# Altium PCB HW_RV_TOUCH_R1M1.PcbDoc (part 2 of 5)
Units mil, origin at the board's own origin, x right, y up, seen from the top; angles counter-clockwise.
Board outline 7086.61 x 4330.71 mil, 6 copper layers (Top Layer, Int1 (GND), Int2 (Sig), Int3 (PWR), Int4 (GND), Bottom Layer), stack 77.316 mil thick; 341 components, 211 nets, 1147 pads, 844 vias.
Unrouted connection lines stored in the file: 123.
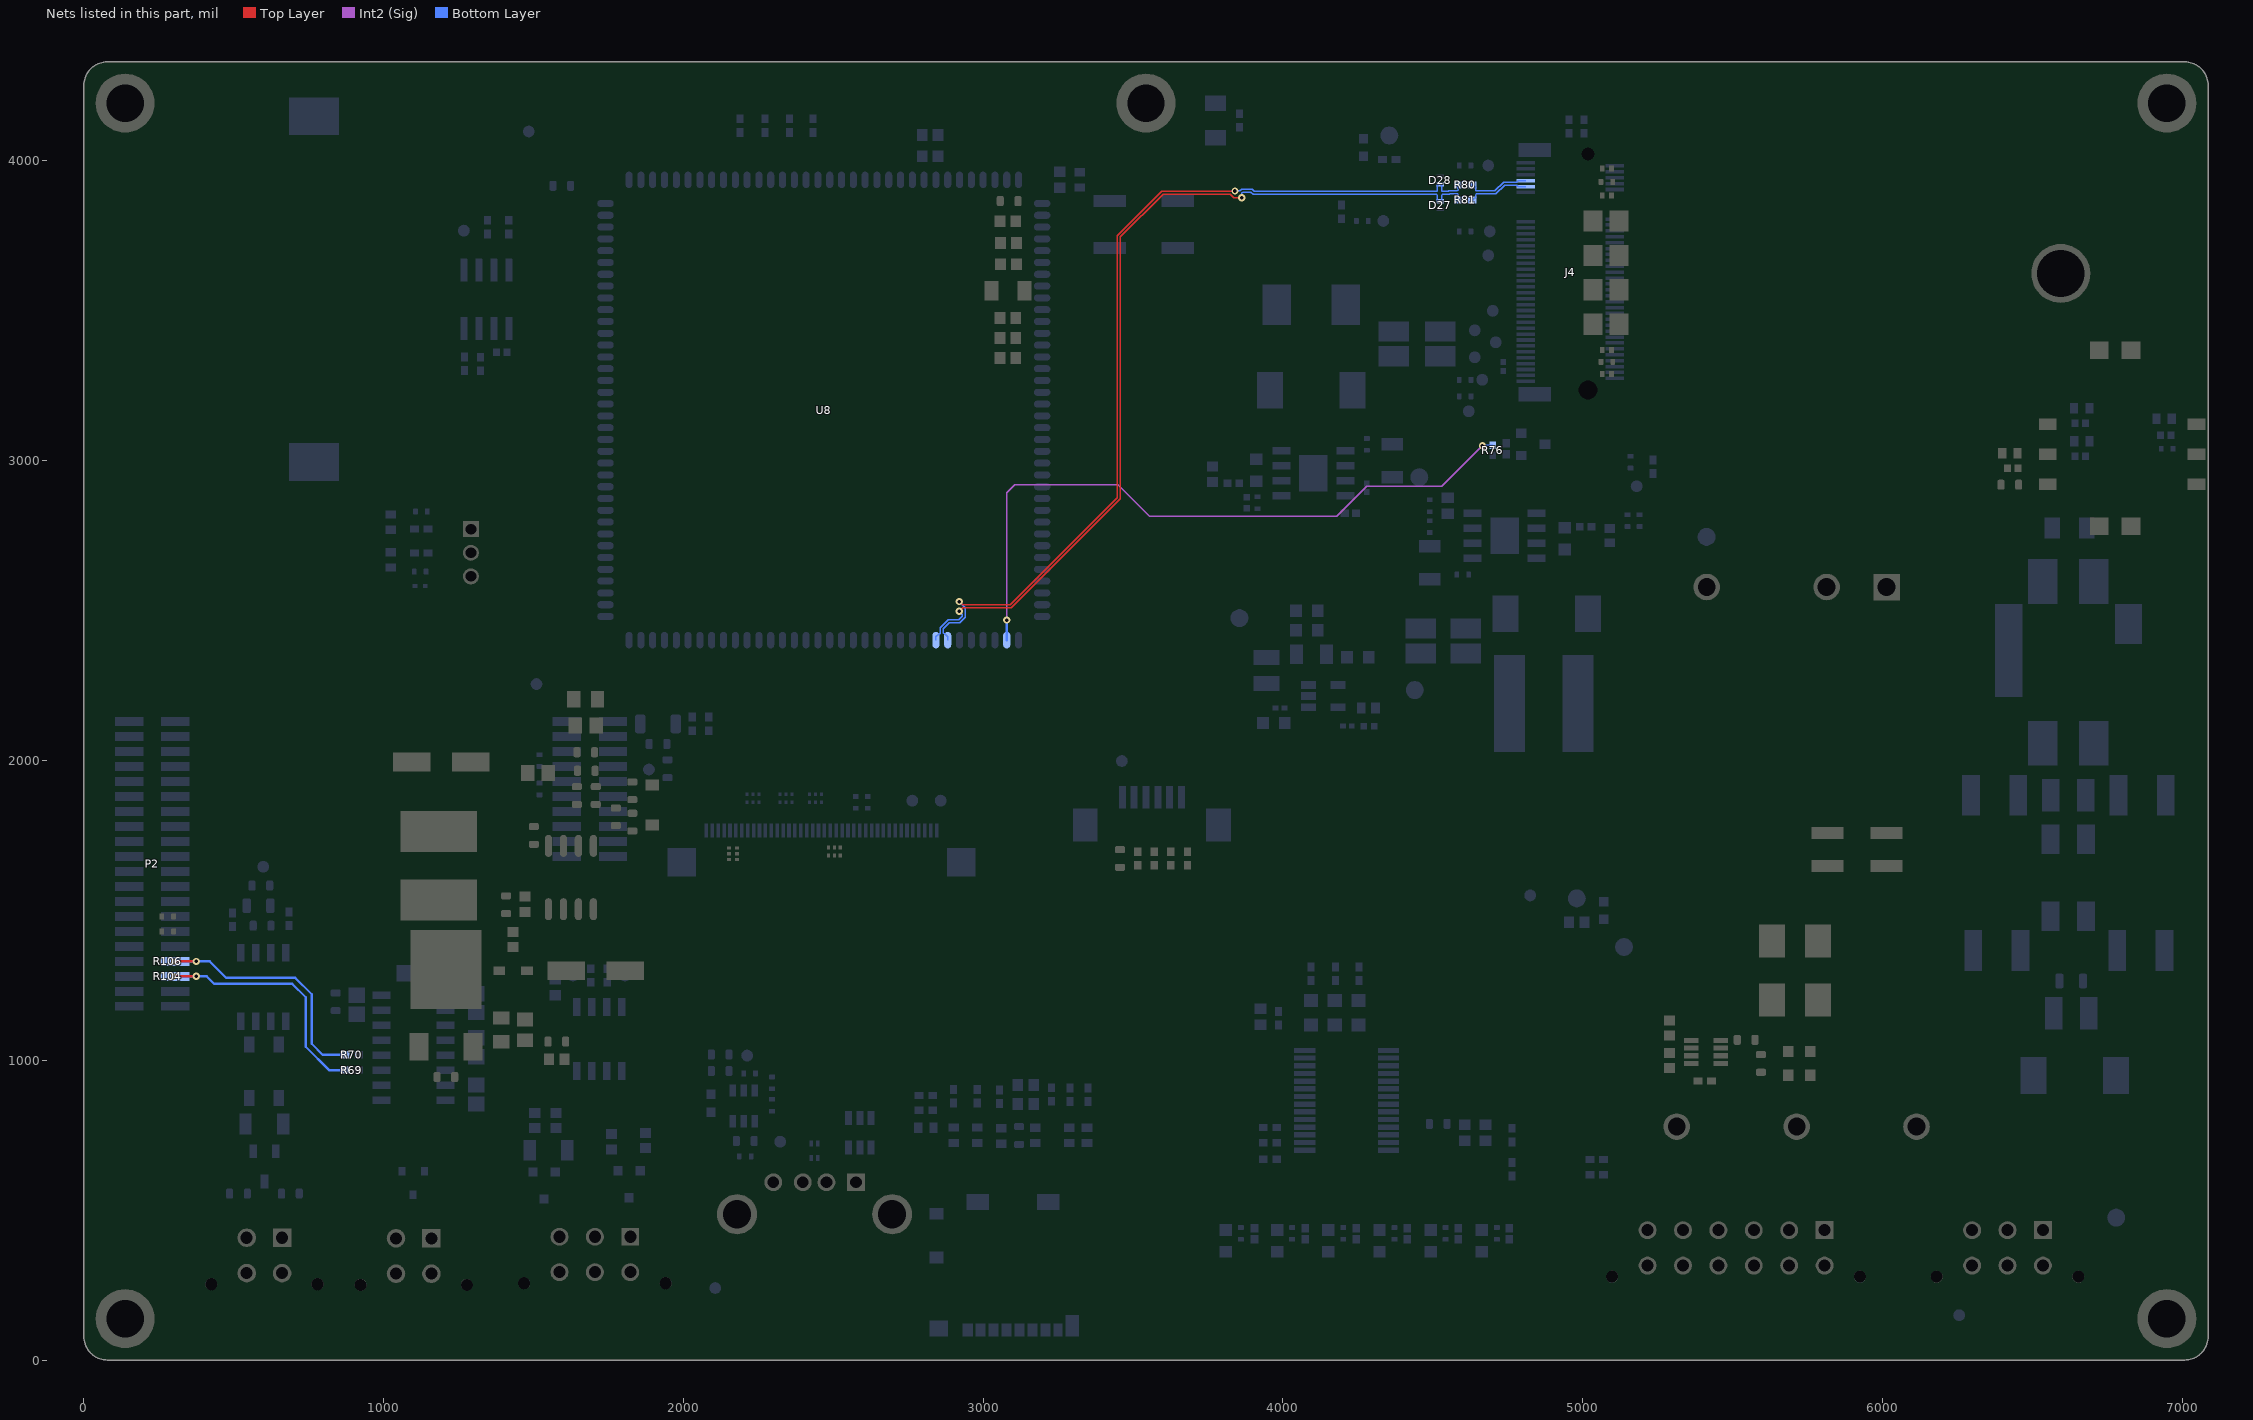
[diagram p6: the nets of this part, all layers, seen from the top]

## Footprints (in the part's own frame and the unit in brackets; to place one, negate y for a bottom-side part, rotate by r counter-clockwise, add the part's x,y. Pads: shape width x height; smd on the part's side, far side on the other; paste and mask are expansions set on the pad) (continued)
SOP65P780X200-28N [mm]
  rect 1.8x0.45 smd: 1(-3.55,4.225) 2(-3.55,3.575) 3(-3.55,2.925) 4(-3.55,2.275) 5(-3.55,1.625) 6(-3.55,0.975) 7(-3.55,0.325) 8(-3.55,-0.325) 9(-3.55,-0.975) 10(-3.55,-1.625) 11(-3.55,-2.275) 12(-3.55,-2.925) 13(-3.55,-3.575) 14(-3.55,-4.225) 15(3.55,-4.225) 16(3.55,-3.575) 17(3.55,-2.925) 18(3.55,-2.275) 19(3.55,-1.625) 20(3.55,-0.975) 21(3.55,-0.325) 22(3.55,0.325) 23(3.55,0.975) 24(3.55,1.625) 25(3.55,2.275) 26(3.55,2.925) 27(3.55,3.575) 28(3.55,4.225)
  silkscreen extent -4.45,-5.1 2.3,5.1, body extent -3.9,-5.1 3.9,5.1, height 2
SOP-8_L4.9-W3.9-P1.27-LS6.0-BL [mm]
  oval 0.63x1.865 smd: 1(-1.905,-2.682) 2(-0.635,-2.682) 3(0.635,-2.682) 4(1.905,-2.682) 5(1.905,2.682) 6(0.635,2.682) 7(-0.635,2.682) 8(-1.905,2.682)
  silkscreen extent -2.82,-2.83 2.58,1.52, body extent -2.45,-3 2.45,3, height 1.91
SOT23_3-DIODE [mm]
  rect 1.15x0.65 smd: 1(-1.275,0.95) 2(-1.275,-0.95) 3(1.275,0)
  silkscreen extent -0.3,-1.5 0.7,1.5, body extent -1.25,-1.5 1.25,1.5, height 1.1
SOT65P280X110-8N [mm]
  rect 1.2x0.45 smd: 1(-1.25,0.975) 2(-1.25,0.325) 3(-1.25,-0.325) 4(-1.25,-0.975) 5(1.25,-0.975) 6(1.25,-0.325) 7(1.25,0.325) 8(1.25,0.975)
  silkscreen extent -1.85,-1.45 0.3,1.55, body extent -1.4,-1.45 1.4,1.45, height 1.1
SOT94P280X100-5N [mm]
  rect 1.25x0.65 smd: 1(-1.25,0.94) 2(-1.25,0) 3(-1.25,-0.94) 4(1.25,-0.94) 5(1.25,0.94)
  silkscreen extent -1.88,-1.45 0.28,1.51, body extent -1.4,-1.45 1.4,1.45, height 1
SOT95P280X100-6N [mm]
  rect 1.05x0.55 smd: 1(-1.3,0.95) 2(-1.3,0) 3(-1.3,-0.95) 4(1.3,-0.95) 5(1.3,0) 6(1.3,0.95)
  silkscreen extent -1.83,-1.45 0.43,1.58, body extent -1.4,-1.45 1.4,1.45, height 1
SOT95P280X145-6N [mm]
  rect 1.2x0.6 smd: 1(-1.25,0.95) 2(-1.25,0) 3(-1.25,-0.95) 4(1.25,-0.95) 5(1.25,0) 6(1.25,0.95)
  silkscreen extent -1.85,-1.45 0.3,1.6, body extent -1.47,-1.46 1.37,1.46, height 1.13
SRN8040-3R3Y [mm]
  rect 2.6x8.2 smd: 1(-2.9,0) 2(2.9,0)
  silkscreen extent -1.2,-4 1.2,4, body extent -3.95,-4.08 3.95,4.08, height 3.95
TDK_0_MFG [mm]
  rect 2.5x1.5 smd paste+0 mask+0: 1(-3.25,1.5) 2(-3.25,-1.5) 3(3.25,-1.5) 4(3.25,1.5)
  silkscreen extent -5.35,-3.1 3.6,3.1, body extent -3.5,-3 3.5,3, height 3.5
TDK_ACT45B-510-2P-TL003_0 [mm]
  rect 1.35x0.9 smd paste+0 mask+0: 1(-2.275,1.25) 2(-2.275,-1.25) 3(2.275,-1.25) 4(2.275,1.25)
  silkscreen extent -3.8,-1.6 2.25,1.6, body extent -2.22,-1.55 2.28,1.65, height 2.83
TEST_POINT#1 [mm]
  round 1 smd: 1(0,0)
  silkscreen extent -0.6,-0.6 0.6,0.6
TEST_POINT#2 [mm]
  round 1 smd far side: 1(0,0)
  silkscreen extent -0.6,-0.6 0.6,0.6
TEST_POINT_SMD#1 [mil]
  round 60 smd: 1(0,0)
TEST_POINT_SMD#2 [mil]
  round 60 smd: 1(0,0.83)
TO-252_L6.5-W6.1-P4.58-LS9.9-BR [mm]
  rect 2.3x1.6 smd: 1(3.267,-2.29) 3(3.267,2.29)
  rect 6.7x6 smd: 2(-3.268,0)
  silkscreen extent -4.79,-3.98 2.49,3.5, body extent -6.12,-3.29 3.8,3.29, height 2.29
WURTH_693010020611 [mm]
  rect 1x1.5 smd: 1(3.9,-6.3) 2(1.36,-6.3) 3(-1.18,-6.3) 4(3.9,6.3) 5(1.36,6.3) 6(-1.18,6.3)
  rect 1.5x1.6 smd: S1(-7.45,0.75) S2(-7.45,-1.95) S3(7.45,0.75) S4(7.45,-1.95)
  silkscreen extent -8.2,-9.5 8.2,6.8, body extent -8.2,-9.55 8.2,6.75, height 1.86
YOUPK37X39_1_00-SMD-148 [mm]
  oval 1.4x0.6 smd: 1(-18.45,17.55) 2(-18.45,16.55) 3(-18.45,15.55) 4(-18.45,14.55) 5(-18.45,13.55) 6(-18.45,12.55) 7(-18.45,11.55) 8(-18.45,10.55) 9(-18.45,9.55) 10(-18.45,8.55) 11(-18.45,7.55) 12(-18.45,6.55) 13(-18.45,5.55) 14(-18.45,4.55) 15(-18.45,3.55) 16(-18.45,2.55) 17(-18.45,1.55) 18(-18.45,0.55) 19(-18.45,-0.45) 20(-18.45,-1.45) 21(-18.45,-2.45) 22(-18.45,-3.45) 23(-18.45,-4.45) 24(-18.45,-5.45) 25(-18.45,-6.45) 26(-18.45,-7.45) 27(-18.45,-8.45) 28(-18.45,-9.45) 29(-18.45,-10.45) 30(-18.45,-11.45) 31(-18.45,-12.45) 32(-18.45,-13.45) 33(-18.45,-14.45) 34(-18.45,-15.45) 35(-18.45,-16.45) 36(-18.45,-17.45) 71(18.55,-17.45) 72(18.55,-16.45) 73(18.55,-15.45) 74(18.55,-14.45) 75(18.55,-13.45) 76(18.55,-12.45) 77(18.55,-11.45) 78(18.55,-10.45) 79(18.55,-9.45) 80(18.55,-8.45) 81(18.55,-7.45) 82(18.55,-6.45) 83(18.55,-5.45) 84(18.55,-4.45) 85(18.55,-3.45) 86(18.55,-2.45) 87(18.55,-1.45) 88(18.55,-0.45) 89(18.55,0.55) 90(18.55,1.55) 91(18.55,2.55) 92(18.55,3.55) 93(18.55,4.55) 94(18.55,5.55) 95(18.55,6.55) 96(18.55,7.55) 97(18.55,8.55) 98(18.55,9.55) 99(18.55,10.55) 100(18.55,11.55) 101(18.55,12.55) 102(18.55,13.55) 103(18.55,14.55) 104(18.55,15.55) 105(18.55,16.55) 106(18.55,17.55)
  oval 0.6x1.4 smd: 37(-16.45,-19.45) 38(-15.45,-19.45) 39(-14.45,-19.45) 40(-13.45,-19.45) 41(-12.45,-19.45) 42(-11.45,-19.45) 43(-10.45,-19.45) 44(-9.45,-19.45) 45(-8.45,-19.45) 46(-7.45,-19.45) 47(-6.45,-19.45) 48(-5.45,-19.45) 49(-4.45,-19.45) 50(-3.45,-19.45) 51(-2.45,-19.45) 52(-1.45,-19.45) 53(-0.45,-19.45) 54(0.55,-19.45) 55(1.55,-19.45) 56(2.55,-19.45) 57(3.55,-19.45) 58(4.55,-19.45) 59(5.55,-19.45) 60(6.55,-19.45) 61(7.55,-19.45) 62(8.55,-19.45) 63(9.55,-19.45) 64(10.55,-19.45) 65(11.55,-19.45) 66(12.55,-19.45) 67(13.55,-19.45) 68(14.55,-19.45) 69(15.55,-19.45) 70(16.55,-19.45) 107(16.55,19.55) 108(15.55,19.55) 109(14.55,19.55) 110(13.55,19.55) 111(12.55,19.55) 112(11.55,19.55) 113(10.55,19.55) 114(9.55,19.55) 115(8.55,19.55) 116(7.55,19.55) 117(6.55,19.55) 118(5.55,19.55) 119(4.55,19.55) 120(3.55,19.55) 121(2.55,19.55) 122(1.55,19.55) 123(0.55,19.55) 124(-0.45,19.55) 125(-1.45,19.55) 126(-2.45,19.55) 127(-3.45,19.55) 128(-4.45,19.55) 129(-5.45,19.55) 130(-6.45,19.55) 131(-7.45,19.55) 132(-8.45,19.55) 133(-9.45,19.55) 134(-10.45,19.55) 135(-11.45,19.55) 136(-12.45,19.55) 137(-13.45,19.55) 138(-14.45,19.55) 139(-15.45,19.55) 140(-16.45,19.55)
  silkscreen extent -20.15,-19.4 18.5,19.6, body extent -18.4,-19.5 18.6,19.5, height 3.33

## Part data
BAT1: "Battery Holder Coin 20MM SMD", Case/Package=SMD/SMT, Manufacturer="Memory Protection Devices", Max Operating Temperature=315°C, Min Operating Temperature=-40°C, Supplier Part Number 1=BU2032SM-GTR-ND, Category=Uncategorized, ComponentLink1Description=https://datasheet.ciiva.com/7613/bu2032sm-g-datasheet-7613472.pdf?src-supplier=Digikey, ComponentLink1URL=https://datasheet.ciiva.com/7613/bu2032sm-g-datasheet-7613472.pdf?src-supplier=Digikey, Contact Material=153,157ConductorMaterial, Height=5.3mm, Manufacturer Part Number=BU2032SM-G, Mount="Surface Mount,PCB", Number of Cells=1, Number of Contacts=2NUMBER, Packaging="Cut Tape", Pricing 1="400=0.81163, 800=0.76195, 1200=0.71225, 2800=0.646, 10000=0.5963 (USD)", RoHS=Yes, series=-, Stock 1=17897, Supplier 1=Digikey, Termination=SMD/SMT
C1: library part C1210C682MGRAC7800, "CAP CER SMD 1210 6800PF 20% 2KV", Manufacturer_Name=KEMET, Datasheet Link=https://www.kemet.com/specsheet/C1210C682MGRACTU, Height=2.8mm, Manufacturer_Part_Number=C1210C682MGRAC7800
C2 C3 C9 C10: library part CAP1812_4700PF_2KV, "2kV 4.7nF X7R ±10% 1812 Multilayer Ceramic Capacitors MLCC - SMD/SMT ROHS", LCSC Manufacturer Part Number=202S43W472KV4E, LCSC Part Number=C167436, Manufacturer Part Number=202S43W472KV4E
C4: library part CAP0805_100nF_100V, "0.1 µF ±10% 100V Ceramic Capacitor X7R 0805 (2012 Metric)", LCSC Manufacturer Part Number=CL21B104KCFNNNE, LCSC Part Number=C28233, Manufacturer Part Number=CL21B104KCFNNNE, Order Code="DIGI : 1276-6840-1-ND"
C5 C7: library part CAP1210_4.7UF_100V, "4.7 µF ±10% 100V Ceramic Capacitor X7S 1210 (3225 Metric)", LCSC Manufacturer Part Number=CL32Y475KCIVPNE, LCSC Part Number=C2803397, Manufacturer Part Number=CL32Y475KCIVPNE, Order Code="Digi: 1276-CL32Y475KCIVPNETR-ND"
C6: library part 12065D106KAT2A, "CAP CER 10UF 50V X5R 1206", Device Package="1206 (3216 Metric)", Manufacturer="AVX Corporation", Operating Temperature="-55°C ~ 85°C", Supplier Part Number 1=478-9979-1-ND, Temperature Coefficient=X5R, Tolerance=±10%, Voltage - Rated=50V, Applications="General Purpose", Capacitance=10µF, ComponentLink1Description=Datasheet, ComponentLink1URL=http://datasheets.avx.com/cx5r.pdf, ComponentLink2Description="DigiKey Link", ComponentLink2URL=http://digikey.com/product-detail/en/avx-corporation/12065D106KAT2A/478-9979-1-ND/6149060, LastUpdated="9/2/2020 1:05:35 AM", Lifecycle Status=Active, Minimum Order=1, Mounting Type="Surface Mount, MLCC", Package / Case="1206 (3216 Metric)", Packaging=TapeAndReel, Part Number=12065D106KAT2A, Part Status=Active, PartId=21345, Price=0.16, series=-, Size / Dimension="0.126\" L x 0.063\" W (3.20mm x 1.60mm)", Supplier 1=DigiKey, Thickness (Max)="0.071\" (1.80mm)"
C8: library part C1210C682MGRAC7800, "Capacitor", Manufacturer_Name=KEMET, Datasheet Link=https://www.kemet.com/specsheet/C1210C682MGRACTU, Height=2.8mm, Manufacturer_Part_Number=C1210C682MGRAC7800
C11 C14 C33 C35 C78: library part CAP0603_0.1UF_50V, "0.1 µF ±10% 50V Ceramic Capacitor X7R 0603 (1608 Metric)", LCSC Manufacturer Part Number=CL10B104KB8NNNC, LCSC Part Number=C1591, Manufacturer Part Number=CL10B104KB8NNNL, Order Code=DIGI:1276-CL10B104KB8NNNLTR-ND, Sirius Stock Code=A063-AGC10300001226
C12 C13: library part C0402C104K4RECAUTO, "CAP CER 0402 0.1UF 16V X7R 10%", Device Package="0402 (1005 Metric)", Manufacturer=KEMET, Operating Temperature="-55°C ~ 125°C", Ratings=AEC-Q200, Supplier Part Number 1=399-17167-1-ND, Temperature Coefficient=X7R, Tolerance=±10%, Voltage - Rated=16V, Applications="Automotive, ESD Protection", Capacitance="0.1 µF", ComponentLink1Description=Datasheet, ComponentLink1URL=https://api.kemet.com/component-edge/download/datasheet/C0402C104K4RECAUTO.pdf, ComponentLink2Description="DigiKey Link", ComponentLink2URL=https://www.digikey.com/en/products/detail/kemet/C0402C104K4RECAUTO/8563695, LastUpdated="2/9/2024 8:04:38 PM", Lifecycle Status=Active, Minimum Order=1, Mounting Type="Surface Mount, MLCC", Package / Case="0402 (1005 Metric)", Packaging=TapeAndReel, Part Number=C0402C104K4RECAUTO, Part Status=Active, PartId=1731, Price=0.01, series="ESD SMD Auto X7R", Size / Dimension="0.039\" L x 0.020\" W (1.00mm x 0.50mm)", Supplier 1=DigiKey, Thickness (Max)="0.022\" (0.55mm)"
C15 C18: "Capacitor", Manufacturer_Name="Murata Electronics", Mouser Part Number=81-GRM31CR71H475KA2L, Arrow Part Number=GRM31CR71H475KA12L, Arrow Price/Stock=https://www.arrow.com/en/products/grm31cr71h475ka12l/murata-manufacturing?utm_currency=USD&region=nac, Datasheet Link=https://search.murata.co.jp/Ceramy/image/img/A01X/G101/ENG/GRM31CR71H475KA12-01A.pdf, Height=1.8mm, Manufacturer_Part_Number=GRM31CR71H475KA12L, Mouser Price/Stock=https://www.mouser.co.uk/ProductDetail/Murata-Electronics/GRM31CR71H475KA12L?qs=QOxk%252BkhTc6I%252BVQUsJuOHog%3D%3D
C16 C17 C19 C21: library part CMP-2000-06362-2, "CAP CER 47UF 16V X5R 1210", Capacitance=47uF, Case Code (Imperial)=1210, Case Code (Metric)=3225, Dielectric=X5R, Max Operating Temperature=85°C, Min Operating Temperature=-55°C, Package Quantity=1, Part Number=GRM32ER61C476KE15L, Tolerance=10%, Voltage=16V, Case/Package=1210, Depth=2.5mm, Height=2.5mm, Lead Free="Lead Free", Length=3.2mm, Material=Ceramic, Mount="Surface Mount", Number of Pins=2, Packaging="Cut Tape", Radiation Hardening=No, REACH SVHC="No SVHC", RoHS Compliant=Yes, Termination=SMD/SMT, Thickness=0.106inch, Voltage Rating=16V, Voltage Rating (DC)=16V, Width=0.098inch
C20 C23: library part 06031U6R8BAT2A, "CAP CER 6.8PF 100V NP0 0603", Device Package="0603 (1608 Metric)", Manufacturer="KYOCERA AVX", Operating Temperature="-55°C ~ 125°C", Supplier Part Number 1=478-06031U6R8BAT2ACT-ND, Temperature Coefficient="C0G, NP0", Tolerance=±0.1pF, Voltage - Rated=100V, Applications="RF, Microwave, High Frequency", Capacitance="6.8 pF", ComponentLink1Description=Datasheet, ComponentLink1URL=https://datasheets.kyocera-avx.com/U-Series.pdf, ComponentLink2Description="DigiKey Link", ComponentLink2URL=https://www.digikey.com/en/products/detail/kyocera-avx/06031U6R8BAT2A/1598953, Features="Ultra Low ESR", LastUpdated="2/9/2024 8:09:59 PM", Lifecycle Status=Active, Minimum Order=1, Mounting Type="Surface Mount, MLCC", Package / Case="0603 (1608 Metric)", Packaging=TapeAndReel, Part Number=06031U6R8BAT2A, Part Status=Active, PartId=35837, Price=0.05, series=U, Size / Dimension="0.060\" L x 0.030\" W (1.52mm x 0.76mm)", Supplier 1=DigiKey, Thickness (Max)="0.036\" (0.91mm)"
C22: library part CMP-1035-02216-3, "CAP CER 5100PF 50V C0G/NP0 0603", Capacitance="5,100 pF", Manufacturer=KEMET, Manufacturer Part Number=C0603C512J5GACTU, Package=C0603C-CF, Temperature="-55°C to +125°C", Temperature Characteristic=C0G, Temperature Coefficient=30ppm/°C, Temperature Range High=+125°C, Temperature Range Low=-55°C, Tolerance=0.05, Voltage Rating="50 V", Automotive=Yes, Automotive Grade="Grade 1", Category=Cap, ComponentLink2Description=Datasheet, ComponentLink2URL=https://api.kemet.com/component-edge/download/datasheet/C0603C100J5GACAUTO.pdf, Device Class L1="Passive Components", Device Class L2=Capacitors, Device Class L3="Ceramic Capacitors", Digikey Description="CAP CER 5100PF 50V C0G/NP0 0603", Height=0.87mm, Lead Free=Yes, Material=Ceramic, Mouser Description="Multilayer Ceramic Capacitors MLCC - SMD/SMT 50volts 5100pF 5% C0G", Octopart=https://octopart.com/c0603c512j5gactu-kemet-19757382, Part Number=C0603C512J5GACTU, RoHS=TRUE
C24: library part CMP-2006-02958-1, Manufacturer=Murata, Part Number=GRM188R72A682KA01D
C30: library part CL31A226KAHNNNE, "CAP CER 22UF 25V X5R 1206", Device Package="1206 (3216 Metric)", Manufacturer="Samsung Electro-Mechanics", Operating Temperature="-55°C ~ 85°C", Supplier Part Number 1=1276-3047-1-ND, Temperature Coefficient=X5R, Tolerance=±10%, Voltage - Rated=25V, Applications="General Purpose", Capacitance="22 µF", ComponentLink1Description=Datasheet, ComponentLink1URL=http://www.samsungsem.com/kr/support/product-search/mlcc/CL31A226KAHNNNE.jsp, ComponentLink2Description="DigiKey Link", ComponentLink2URL=https://www.digikey.com/en/products/detail/samsung-electro-mechanics/CL31A226KAHNNNE/3888705, LastUpdated="3/11/2024 7:11:00 AM", Lifecycle Status=Active, Minimum Order=1, Mounting Type="Surface Mount, MLCC", Package / Case="1206 (3216 Metric)", Packaging=TapeAndReel, Part Number=CL31A226KAHNNNE, Part Status=Active, PartId=22185, Price=0.07, series=CL, Size / Dimension="0.126\" L x 0.063\" W (3.20mm x 1.60mm)", Supplier 1=DigiKey, Thickness (Max)="0.071\" (1.80mm)"
C31 C50 C80 C82 C91 C92 C93 C94 C95 C96: library part VJ0603Y104KXAPW1BC, "CAP CER 0.1UF 50V X7R 0603", Device Package="0603 (1608 Metric)", Manufacturer="Vishay Vitramon", Operating Temperature="-55°C ~ 125°C", Supplier Part Number 1=720-VJ0603Y104KXAPW1BCCT-ND, Temperature Coefficient=X7R, Tolerance=±10%, Voltage - Rated=50V, Applications="General Purpose", Capacitance="0.1 µF", ComponentLink2Description="DigiKey Link", ComponentLink2URL=https://www.digikey.com/en/products/detail/vishay-vitramon/VJ0603Y104KXAPW1BC/10670836, LastUpdated="2/9/2024 8:09:50 PM", Lifecycle Status=Active, Minimum Order=1, Mounting Type="Surface Mount, MLCC", Package / Case="0603 (1608 Metric)", Packaging=TapeAndReel, Part Number=VJ0603Y104KXAPW1BC, Part Status=Active, PartId=45127, Price=0.02, series="VJ W1BC", Size / Dimension="0.063\" L x 0.031\" W (1.60mm x 0.80mm)", Supplier 1=DigiKey, Thickness (Max)="0.037\" (0.95mm)"
C32: library part CAP1206_10UF_10V, "10 µF ±10% 10V Ceramic Capacitor X7R 1206 (3216 Metric)", LCSC Manufacturer Part Number=CL31B106KPHNNNE, LCSC Part Number=C96449, Manufacturer Part Number=CL31B106KPHNNNE, Order Code="Digi: 1276-1311-2-ND"
C34: library part CAP0805_10UF_25V, "10 µF ±10% 25V Ceramic Capacitor X5R 0805 (2012 Metric)", LCSC Manufacturer Part Number=CL21A106KAYNNNE, LCSC Part Number=C15850, Manufacturer Part Number=CL21A106KAYNNNE, Order Code="DIGI: 1276-2891-2-ND"
C36 C37 C45 C47: library part CAP0603_100PF_50V, "100 pF ±5% 50V Ceramic Capacitor C0G, NP0 0603 (1608 Metric)", LCSC Manufacturer Part Number=CC0603JRNPO9BN101, LCSC Part Number=C14665, Manufacturer Part Number=06035A101JAT2A, Order Code="DIGI: 478-1175-2-ND"
C38 C39: library part CAP0603_10UF_10V, "10 µF ±10% 10V Ceramic Capacitor X5R 0603 (1608 Metric)", LCSC Manufacturer Part Number=CL10A106KP8NNNC, LCSC Part Number=C19702, Manufacturer Part Number=CL10A106KP8NNNC, Order Code="DIGI: 1276-1192-2-ND"
C40: library part CAP0402_0.1UF_50V, "0.1 µF ±10% 50V Ceramic Capacitor X7R 0402 (1005 Metric)", LCSC Manufacturer Part Number=CL05B104KB54PNC, LCSC Part Number=C307331, Manufacturer Part Number=CL05B104KB54PNC, Order Code="DIGI: 1276-CL05B104KB54PNCTR-ND"
C41 C42: library part 865080643008, "CAP ALUM 22UF 20% 50V SMD", Device Package="Radial, Can - SMD", Lifetime @ Temp.="2000 Hrs @ 105°C", Manufacturer="Würth Elektronik", Operating Temperature="-55°C ~ 105°C", Ripple Current @ High Frequency="150 mA @ 100 kHz", Ripple Current @ Low Frequency="97.5 mA @ 120 Hz", Supplier Part Number 1=732-8453-1-ND, Tolerance=±20%, Voltage - Rated="50 V", Applications="General Purpose", Capacitance="22 µF", ComponentLink1Description=Datasheet, ComponentLink1URL=https://katalog.we-online.de/pbs/datasheet/865080643008.pdf, ComponentLink2Description="DigiKey Link", ComponentLink2URL=https://www.digikey.com/en/products/detail/würth-elektronik/865080643008/5728048, Height - Seated (Max)="0.217\" (5.50mm)", Impedance="1.3 Ohms", LastUpdated="3/11/2024 7:45:23 AM", Lifecycle Status=Active, Minimum Order=1, Mounting Type="Surface Mount", Package / Case="Radial, Can - SMD", Packaging=TapeAndReel, Part Number=865080643008, Part Status=Active, PartId=8986, Polarization=Polar, Price=0.15, series=WCAP-ASLI, Size / Dimension="0.248\" Dia (6.30mm)", Supplier 1=DigiKey, Surface Mount Land Size="0.260\" L x 0.260\" W (6.60mm x 6.60mm)"
C43: library part CAP0603_10NF_50V, "10000 pF ±10% 50V Ceramic Capacitor X7R 0603 (1608 Metric)", LCSC Manufacturer Part Number=CL10B103KB8NNNC, LCSC Part Number=C1589, Manufacturer Part Number=CL10B103KB8NNNC, Order Code="DIGI : 1276-1009-2-ND"
C44: library part CAP0603_47PF_50V, "47 pF ±5% 50V Ceramic Capacitor C0G, NP0 0603 (1608 Metric)", LCSC Manufacturer Part Number=CC0603JRNPO9BN470, LCSC Part Number=C105622, Manufacturer Part Number=CC0603JRNPO9BN470, Order Code="DIGI : 311-1065-2-ND"
C46: library part CAP0603_1UF_50V, "1 µF ±10% 25V Ceramic Capacitor X5R 0603 (1608 Metric)", LCSC Manufacturer Part Number=CL10A105KA8NNNC, LCSC Part Number=C5673, Manufacturer Part Number=CL10A105KA8NNNC, Order Code="Digi: 1276-1102-2-ND"
C48: library part 885012105001, "CAP CER 0.1UF 6.3V X5R 0402", Device Package="0402 (1005 Metric)", Manufacturer="Würth Elektronik", Operating Temperature="-55°C ~ 85°C", Supplier Part Number 1=732-7478-1-ND, Temperature Coefficient=X5R, Tolerance=±20%, Voltage - Rated=6.3V, Applications="General Purpose", Capacitance="0.1 µF", ComponentLink1Description=Datasheet, ComponentLink1URL=https://katalog.we-online.de/pbs/datasheet/885012105001.pdf, ComponentLink2Description="DigiKey Link", ComponentLink2URL=https://www.digikey.com/en/products/detail/würth-elektronik/885012105001/5453333, LastUpdated="2/9/2024 8:04:37 PM", Lifecycle Status=Active, Minimum Order=1, Mounting Type="Surface Mount, MLCC", Package / Case="0402 (1005 Metric)", Packaging=TapeAndReel, Part Number=885012105001, Part Status=Active, PartId=1931, Price=0.01, series=WCAP-CSGP, Size / Dimension="0.039\" L x 0.020\" W (1.00mm x 0.50mm)", Supplier 1=DigiKey, Thickness (Max)="0.022\" (0.55mm)"
C49: library part ESD35C104K4T2A-24, "CAP CER 0.1UF 50V X7R 0603", Device Package="0603 (1608 Metric)", Manufacturer="AVX Corporation", Operating Temperature="-55°C ~ 125°C", Ratings=AEC-Q200, Supplier Part Number 1=478-8009-1-ND, Temperature Coefficient=X7R, Tolerance=±10%, Voltage - Rated=50V, Applications="Automotive, ESD Protection", Capacitance=0.1µF, ComponentLink1Description=Datasheet, ComponentLink1URL=http://datasheets.avx.com/ESDSafe.pdf, ComponentLink2Description="DigiKey Link", ComponentLink2URL=http://digikey.com/product-detail/en/avx-corporation/ESD35C104K4T2A-24/478-8009-1-ND/3902999, LastUpdated="9/2/2020 1:03:10 AM", Lifecycle Status=Active, Minimum Order=1, Mounting Type="Surface Mount, MLCC", Package / Case="0603 (1608 Metric)", Packaging=TapeAndReel, Part Number=ESD35C104K4T2A-24, Part Status=Active, PartId=15342, Price=0.03, series=ESD-SAFE™, Size / Dimension="0.063\" L x 0.031\" W (1.60mm x 0.80mm)", Supplier 1=DigiKey
C51 C81: library part KGM15CR51C106KT, "CAP CER 10UF 16V X5R 0603", Device Package="0603 (1608 Metric)", Manufacturer="KYOCERA AVX", Operating Temperature="-55°C ~ 85°C", Supplier Part Number 1=478-KGM15CR51C106KTCT-ND, Temperature Coefficient=X5R, Tolerance=±10%, Voltage - Rated=16V, Applications="General Purpose", Capacitance="10 µF", ComponentLink1Description=Datasheet, ComponentLink1URL=https://datasheets.kyocera-avx.com/cx5r.pdf, ComponentLink2Description="DigiKey Link", ComponentLink2URL=https://www.digikey.com/en/products/detail/kyocera-avx/KGM15CR51C106KT/17866320, LastUpdated="2/9/2024 8:08:56 PM", Lifecycle Status=Active, Minimum Order=1, Mounting Type="Surface Mount, MLCC", Package / Case="0603 (1608 Metric)", Packaging=TapeAndReel, Part Number=KGM15CR51C106KT, Part Status=Active, PartId=54717, Price=0.03, series="KGM - X5R", Size / Dimension="0.063\" L x 0.031\" W (1.60mm x 0.80mm)", Supplier 1=DigiKey, Thickness (Max)="0.039\" (1.00mm)"
C52 C55 C59: library part VJ0603Y104MXJPW1BC, "CAP CER 0.1UF 16V X7R 0603", Device Package="0603 (1608 Metric)", Manufacturer="Vishay Vitramon", Operating Temperature="-55°C ~ 125°C", Supplier Part Number 1=720-VJ0603Y104MXJPW1BCCT-ND, Temperature Coefficient=X7R, Tolerance=±20%, Voltage - Rated=16V, Applications="General Purpose", Capacitance="0.1 µF", ComponentLink1Description=Datasheet, ComponentLink1URL=https://www.vishay.com/docs/28548/vjw1bcbascomseries.pdf, ComponentLink2Description="DigiKey Link", ComponentLink2URL=https://www.digikey.com/en/products/detail/vishay-vitramon/VJ0603Y104MXJPW1BC/8305322, LastUpdated="2/9/2024 8:09:54 PM", Lifecycle Status=Active, Minimum Order=1, Mounting Type="Surface Mount, MLCC", Package / Case="0603 (1608 Metric)", Packaging=TapeAndReel, Part Number=VJ0603Y104MXJPW1BC, Part Status=Active, PartId=34420, Price=0.01, series="VJ W1BC", Size / Dimension="0.063\" L x 0.031\" W (1.60mm x 0.80mm)", Supplier 1=DigiKey, Thickness (Max)="0.034\" (0.87mm)"
C53 C54 C56 C57: library part ZRB18AR61C106ME01L, "CAP CER 10UF 16V X5R 0603", Device Package="0603 (1608 Metric)", Manufacturer="Murata Electronics", Operating Temperature="-55°C ~ 85°C", Supplier Part Number 1=490-10990-1-ND, Temperature Coefficient=X5R, Tolerance=±20%, Voltage - Rated=16V, Applications="Acoustic Noise Reduction", Capacitance="10 µF", ComponentLink1Description=Datasheet, ComponentLink1URL=https://search.murata.co.jp/Ceramy/image/img/A01X/G101/ENG/ZRB18AR61C106ME01-01.pdf, ComponentLink2Description="DigiKey Link", ComponentLink2URL=https://www.digikey.com/en/products/detail/murata-electronics/ZRB18AR61C106ME01L/5321082, Features="Interposer Termination", LastUpdated="2/9/2024 8:10:10 PM", Lifecycle Status=Active, Minimum Order=1, Mounting Type="Surface Mount, MLCC", Package / Case="0603 (1608 Metric)", Packaging=TapeAndReel, Part Number=ZRB18AR61C106ME01L, Part Status=Active, PartId=16007, Price=0.08, series=ZRB, Size / Dimension="0.063\" L x 0.031\" W (1.60mm x 0.80mm)", Supplier 1=DigiKey, Thickness (Max)="0.047\" (1.20mm)"
C58: library part KGM15BR51C475KT, "CAP CER 4.7UF 16V X5R 0603", Device Package="0603 (1608 Metric)", Manufacturer="KYOCERA AVX", Operating Temperature="-55°C ~ 85°C", Supplier Part Number 1=478-KGM15BR51C475KTCT-ND, Temperature Coefficient=X5R, Tolerance=±10%, Voltage - Rated=16V, Applications="General Purpose", Capacitance="4.7 µF", ComponentLink1Description=Datasheet, ComponentLink1URL=https://datasheets.kyocera-avx.com/cx5r.pdf, ComponentLink2Description="DigiKey Link", ComponentLink2URL=https://www.digikey.com/en/products/detail/kyocera-avx/KGM15BR51C475KT/9748483, LastUpdated="2/9/2024 8:09:11 PM", Lifecycle Status=Active, Minimum Order=1, Mounting Type="Surface Mount, MLCC", Package / Case="0603 (1608 Metric)", Packaging=TapeAndReel, Part Number=KGM15BR51C475KT, Part Status=Active, PartId=53181, Price=0.09, series="KGM - X5R", Size / Dimension="0.063\" L x 0.031\" W (1.60mm x 0.80mm)", Supplier 1=DigiKey, Thickness (Max)="0.037\" (0.95mm)"
C60 C61 C62 C63 C64: library part C2012X8R1H104K125AA, "CAP CER 0.1UF 50V X8R 0805", Device Package="0805 (2012 Metric)", Manufacturer="TDK Corporation", Operating Temperature="-55°C ~ 150°C", Supplier Part Number 1=445-2514-1-ND, Temperature Coefficient=X8R, Tolerance=±10%, Voltage - Rated=50V, Applications="General Purpose", Capacitance="0.1 µF", ComponentLink1Description=Datasheet, ComponentLink1URL=https://product.tdk.com/info/en/catalog/datasheets/mlcc_commercial_hightemp_en.pdf?ref_disty=digikey, ComponentLink2Description="DigiKey Link", ComponentLink2URL=https://www.digikey.com/en/products/detail/tdk-corporation/C2012X8R1H104K125AA/927140, Features="High Temperature", LastUpdated="2/9/2024 8:15:37 PM", Lifecycle Status=Active, Minimum Order=1, Mounting Type="Surface Mount, MLCC", Package / Case="0805 (2012 Metric)", Packaging=TapeAndReel, Part Number=C2012X8R1H104K125AA, Part Status=Active, PartId=14313, Price=0.02, series=C, Size / Dimension="0.079\" L x 0.049\" W (2.00mm x 1.25mm)", Supplier 1=DigiKey, Thickness (Max)="0.057\" (1.45mm)"
C65: library part CAP0603_100nF, "CAP CER 0.1UF 50V X7R 0603", Part Number=C0603C104K5RACTU, Order Code="DIGI : 399-5089-1-ND"
C66: library part CAP0603_100nF, "CAP CER 1uF 25V X7R 0603", Part Number=CGA3E1X7R1E105K080AE, Order Code="DIGI : 445-173628-2-ND"
C67: library part CAP0603_100nF, "Ceramic Capacitor,10uF,16V,+/-20%,X5R,0603,Samsung", P/N=CL10A106MONQNC
C68: library part CAP0603_100nF, "68 pF ±2% 50V Ceramic Capacitor C0G, NP0 0603 (1608 Metric)", Part Number=06035A680GAT2A, Order Code="DIGI : 478-10332-2-ND"
C69 C89: library part CMP-2100-03641-2, "CAP CER 0.1UF 16V X7R 0402", Capacitance=0.10μF, Manufacturer=Murata, Package=GRM15, Part Number=GRM155R71C104KA88D, Temperature="-55°C to +125°C", Temperature Characteristic=X7R, Temperature Range High=+125°C, Temperature Range Low=-55°C, Tolerance=10%, Voltage Rating=16Vdc, Category=Cap, ComponentLink2Description=Datasheet, ComponentLink2URL=https://search.murata.co.jp/Ceramy/image/img/A01X/G101/ENG/GRM155R71H471KA01-01A.pdf, Device Class L1="Passive Components", Device Class L2=Capacitors, Device Class L3="Ceramic Capacitors", Digikey Description="CAP CER 0.1UF 16V X7R 0402", Height=0.55mm, Ipc Land Pattern Name=CAPC10050X219, Lead Free=yes, Material=Ceramic, Mouser Description="0402 0.1 uF 16V ±10 % Tolerance X7R SMT Multilayer Ceramic Capacitor", Octopart=https://octopart.com/grm155r71c104ka88d-murata-196880, RoHS=TRUE, Standoff Height=0mm
C70: library part CMP-2006-03271-2, "CAP CER 6.8PF 50V NP0 0603", Capacitance="6.8 pF", Manufacturer=KEMET, Manufacturer Part Number=C0603C689C5GACTU, Package=C0603C-CF, Temperature="-55°C to +125°C", Temperature Characteristic=C0G, Temperature Coefficient=30ppm/°C, Temperature Range High=+125°C, Temperature Range Low=-55°C, Tolerance="0.25 pF", Voltage Rating="50 V", Automotive=Yes, Automotive Grade="Grade 1", Category=Cap, ComponentLink2Description=Datasheet, ComponentLink2URL=https://api.kemet.com/component-edge/download/datasheet/C0603C100J5GACAUTO.pdf, Device Class L1="Passive Components", Device Class L2=Capacitors, Device Class L3="Ceramic Capacitors", Digikey Description="CAP CER 6.8PF 50V NP0 0603", Height=0.87mm, Lead Free=Yes, Material=Ceramic, Mouser Description="0603 C 6.8pF Ceramic Multilayer Capacitor; 50V dc; +125C; C0G Dielectric; +/-0.25pF", Octopart=https://octopart.com/c0603c689c5gactu-kemet-8718591, Part Number=C0603C689C5GACTU, RoHS=TRUE
C72 C75 C76 C77 C79 C88: library part 885012005043, "CAP CER 33PF 25V C0G/NP0 0402", Device Package="0402 (1005 Metric)", Manufacturer="Würth Elektronik", Operating Temperature="-55°C ~ 125°C", Supplier Part Number 1=732-7458-1-ND, Temperature Coefficient="C0G, NP0", Tolerance=±5%, Voltage - Rated=25V, Applications="General Purpose", Capacitance="33 pF", ComponentLink1Description=Datasheet, ComponentLink1URL=https://katalog.we-online.de/pbs/datasheet/885012005043.pdf, ComponentLink2Description="DigiKey Link", ComponentLink2URL=https://www.digikey.com/en/products/detail/würth-elektronik/885012005043/5453313, LastUpdated="2/9/2024 8:04:37 PM", Lifecycle Status=Active, Minimum Order=1, Mounting Type="Surface Mount, MLCC", Package / Case="0402 (1005 Metric)", Packaging=TapeAndReel, Part Number=885012005043, Part Status=Active, PartId=2058, Price=0.01, series=WCAP-CSGP, Size / Dimension="0.039\" L x 0.020\" W (1.00mm x 0.50mm)", Supplier 1=DigiKey, Thickness (Max)="0.022\" (0.55mm)"